# Allegro board 8880F5-0823_1_maisha.brd (continued)
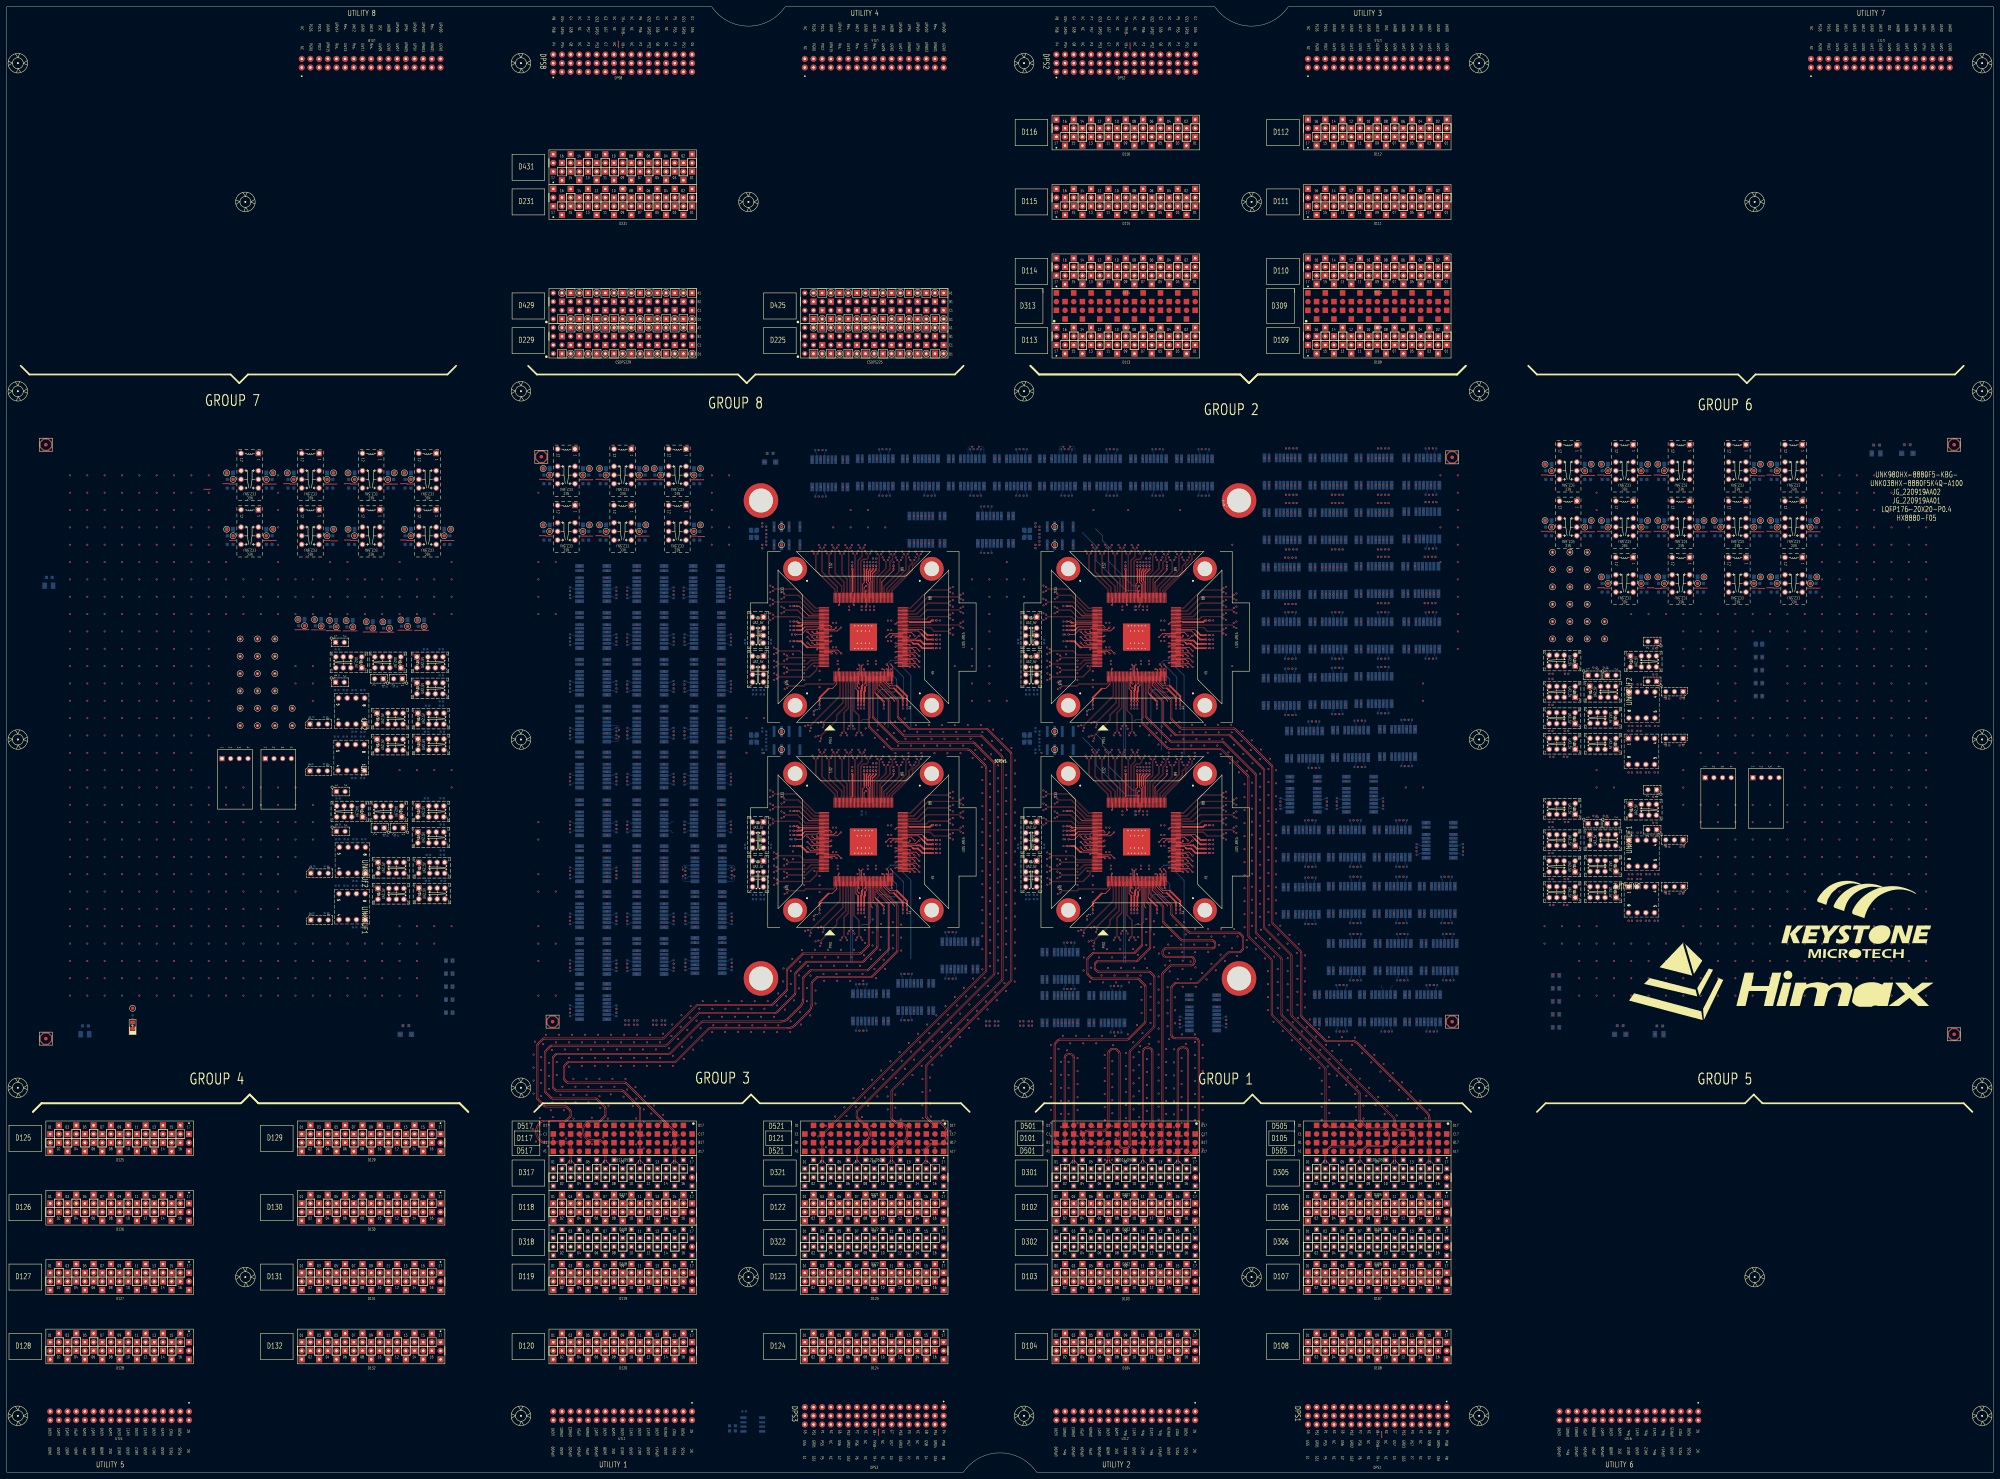
[diagram p0: board, top side]
## Placement (name value [footprint] x y rotation side) (continued)
NOREF#1339  -  []  35.83 128.17 90 top
NOREF#1340  -  []  282.9 147.38 0 top
NOREF#1341  -  []  124.35 195.15 0 top
NOREF#1342  -  []  184.47 176.66 90 top
NOREF#1343  -  []  352.25 184.86 90 top
NOREF#1344  -  []  263.95 224.74 90 top
NOREF#1345  -  []  449.99 174.46 0 top
NOREF#1346  -  []  301.56 239.06 0 top
NOREF#1347  -  []  463.61 171.53 0 top
NOREF#1348  -  []  298.24 288.86 0 top
NOREF#1349  -  []  200.98 256.5 90 top
NOREF#1350  -  []  184.47 219.75 90 top
NOREF#1351  -  []  371.73 297.12 0 top
NOREF#1352  -  []  310.41 248.88 90 top
NOREF#1353  -  []  201.66 186.02 90 top
NOREF#1354  -  []  272.24 244.86 90 top
NOREF#1355  -  []  385.36 194.18 90 top
NOREF#1356  -  []  199.08 254 0 top
NOREF#1357  -  []  167.7 136.27 90 top
NOREF#1358  -  []  165.8 254 0 top
NOREF#1359  -  []  259.65 264.65 90 top
NOREF#1360  -  []  249.85 224.74 0 top
NOREF#1361  -  []  184.47 247.18 90 top
NOREF#1362  -  []  379 272.56 90 top
NOREF#1363  -  []  184.47 173.11 0 top
NOREF#1364  -  []  118.96 174.04 90 top
NOREF#1365  -  []  399.07 208.91 90 top
NOREF#1366  -  []  413.1 144.98 0 top
NOREF#1367  -  []  369.38 241.11 0 top
NOREF#1368  -  []  342.68 163.52 90 top
NOREF#1369  -  []  404.15 241.11 0 top
NOREF#1370  -  []  411.26 209.66 90 top
NOREF#1371  -  []  175.7 257.6 90 top
NOREF#1372  -  []  327.57 204.65 90 top
NOREF#1373  -  []  339.89 288.41 90 top
NOREF#1374  -  []  301.56 190.49 0 top
NOREF#1375  -  []  175.7 141.67 90 top
NOREF#1376  -  []  394.46 129.99 90 top
NOREF#1377  -  []  201.23 214 0 top
NOREF#1378  -  []  423.61 184.62 90 top
NOREF#1379  -  []  375.22 163.39 0 top
NOREF#1380  -  []  251.05 265.86 90 top
NOREF#1381  -  []  230.43 248.88 90 top
NOREF#1382  -  []  110.47 178.64 0 top
NOREF#1383  -  []  405.51 217.61 0 top
NOREF#1384  -  []  381.2 258.38 90 top
NOREF#1385  -  []  295.96 188.49 0 top
NOREF#1386  -  []  261.42 135.74 90 top
NOREF#1387  -  []  253.53 140.14 0 top
NOREF#1388  -  []  404.4 289.17 90 top
NOREF#1389  -  []  106.29 174.19 90 top
NOREF#1390  -  []  337.9 246.99 0 top
NOREF#1391  -  []  238.45 197.01 0 top
NOREF#1392  -  []  112.67 178.64 0 top
NOREF#1393  -  []  230.43 253.37 0 top
NOREF#1394  -  []  234.33 228.13 90 top
NOREF#1395  -  []  473.6 162.62 90 top
NOREF#1396  -  []  327.25 205.55 0 top
NOREF#1397  -  []  273.5 148.65 90 top
NOREF#1398  -  []  250.18 182.88 0 top
NOREF#1399  -  []  352.93 288.86 90 top
NOREF#1400  -  []  451.68 171.53 0 top
NOREF#1401  -  []  475.36 127 90 top
NOREF#1402  -  []  219.81 213.69 90 top
NOREF#1403  -  []  220.36 177.06 0 top
NOREF#1404  -  []  478.57 257.36 90 top
NOREF#1405  -  []  237.66 164.72 0 top
NOREF#1406  -  []  201.23 247.18 90 top
NOREF#1407  -  []  412.88 139.89 0 top
NOREF#1408  -  []  254.61 204.65 90 top
NOREF#1409  -  []  419.9 272.82 90 top
NOREF#1410  -  []  124.35 222.33 0 top
NOREF#1411  -  []  230.43 254.01 0 top
NOREF#1412  -  []  408.02 239.21 0 top
NOREF#1413  -  []  284.36 272.1 90 top
NOREF#1414  -  []  337.9 186.35 90 top
NOREF#1415  -  []  263.31 224.72 0 top
NOREF#1416  -  []  225.83 204.31 0 top
NOREF#1417  -  []  378.33 241.11 90 top
NOREF#1418  -  []  275.28 290.13 90 top
NOREF#1419  -  []  412.62 249.11 0 top
NOREF#1420  -  []  377.32 163.39 0 top
NOREF#1421  -  []  415.6 146.88 0 top
NOREF#1422  -  []  259.65 204.65 90 top
NOREF#1423  -  []  352.25 182.32 90 top
NOREF#1424  -  []  379.48 222.7 90 top
NOREF#1425  -  []  277.17 288.86 0 top
NOREF#1426  -  []  330.73 205.55 0 top
NOREF#1427  -  []  259.88 288.31 90 top
NOREF#1428  -  []  258.1 288.86 0 top
NOREF#1429  -  []  367.73 290.39 90 top
NOREF#1430  -  []  120.21 178.64 0 top
NOREF#1431  -  []  211.11 160.4 90 top
NOREF#1432  -  []  320.83 194.63 0 top
NOREF#1433  -  []  287.91 280.1 0 top
NOREF#1434  -  []  460.93 182.17 90 top
NOREF#1435  -  []  175.7 222.95 90 top
NOREF#1436  -  []  327.25 265.55 0 top
NOREF#1437  -  []  327.27 131.64 90 top
NOREF#1438  -  []  201.23 200.54 0 top
NOREF#1439  -  []  420.15 131.34 90 top
NOREF#1440  -  []  232.25 211.67 90 top
NOREF#1441  -  []  167.7 132.72 0 top
NOREF#1442  -  []  339.33 265.55 0 top
NOREF#1443  -  []  184.47 159.65 0 top
NOREF#1444  -  []  327.57 205.86 90 top
NOREF#1445  -  []  248.33 187.93 0 top
NOREF#1446  -  []  118.74 210.19 90 top
NOREF#1447  -  []  165.8 131.57 90 top
NOREF#1448  -  []  383.73 202.38 90 top
NOREF#1449  -  []  302.49 296.86 0 top
NOREF#1450  -  []  279.7 155.38 0 top
NOREF#1451  -  []  391.8 209.36 0 top
NOREF#1452  -  []  313.56 131.64 90 top
NOREF#1453  -  []  343.63 225.04 90 top
NOREF#1454  -  []  383.09 289.12 0 top
NOREF#1455  -  []  405.5 289.12 90 top
NOREF#1456  -  []  257.9 246.99 0 top
NOREF#1457  -  []  222.11 240.71 0 top
NOREF#1458  -  []  192.57 256.4 90 top
NOREF#1459  -  []  405.5 273.11 90 top
NOREF#1460  -  []  263.31 164.74 0 top
NOREF#1461  -  []  165.8 171.96 90 top
NOREF#1462  -  []  333.4 265.55 0 top
NOREF#1463  -  []  254.8 296.86 0 top
NOREF#1464  -  []  310.43 248.88 0 top
NOREF#1465  -  []  184.47 200.54 90 top
NOREF#1466  -  []  351.34 185.18 0 top
NOREF#1467  -  []  184.47 186.57 90 top
NOREF#1468  -  []  237.98 223.82 90 top
NOREF#1469  -  []  320.83 254.63 0 top
NOREF#1470  -  []  275.3 155.38 0 top
NOREF#1471  -  []  194.09 214.75 90 top
NOREF#1472  -  []  333.72 204.65 90 top
NOREF#1473  -  []  209.23 246.08 90 top
NOREF#1474  -  []  312.21 131.64 0 top
NOREF#1475  -  []  182.57 185.42 90 top
NOREF#1476  -  []  410.52 289.12 0 top
NOREF#1477  -  []  165.8 226.57 0 top
NOREF#1478  -  []  305.83 264.31 0 top
NOREF#1479  -  []  177.33 133.47 90 top
NOREF#1480  -  []  328.33 247.93 0 top
NOREF#1481  -  []  392.73 171.64 0 top
NOREF#1482  -  []  290.64 288.86 0 top
NOREF#1483  -  []  405.51 209.61 0 top
NOREF#1484  -  []  229.21 188.88 0 top
NOREF#1485  -  []  115.36 235.64 0 top
NOREF#1486  -  []  399.67 131.89 0 top
NOREF#1487  -  []  108.27 171.02 0 top
NOREF#1488  -  []  263.95 223.52 90 top
NOREF#1489  -  []  75.98 287.84 90 top
NOREF#1490  -  []  290.64 288.86 0 top
NOREF#1491  -  []  300.36 177.06 0 top
NOREF#1492  -  []  339.33 205.56 90 top
NOREF#1493  -  []  471.11 186.77 0 top
NOREF#1494  -  []  201.23 242.78 90 top
NOREF#1495  -  []  518.38 290.38 90 top
NOREF#1496  -  []  272.25 242.96 0 top
NOREF#1497  -  []  340.83 234.63 90 top
NOREF#1498  -  []  271.34 183.91 0 top
NOREF#1499  -  []  388.43 146.88 0 top
NOREF#1500  -  []  217.41 213.24 90 top
NOREF#1501  -  []  201.23 229.07 90 top
NOREF#1502  -  []  209.49 177.76 90 top
NOREF#1503  -  []  295.96 177.06 0 top
NOREF#1504  -  []  167.7 174.46 90 top
NOREF#1505  -  []  251.86 192.43 90 top
NOREF#1506  -  []  301.56 231.46 0 top
NOREF#1507  -  []  175.7 259.8 90 top
NOREF#1508  -  []  377.48 273.16 90 top
NOREF#1509  -  []  262.04 164.72 0 top
NOREF#1510  -  []  118.45 231.77 0 top
NOREF#1511  -  []  184.89 145.38 90 top
NOREF#1512  -  []  330.49 224.74 90 top
NOREF#1513  -  []  218.16 188.49 0 top
NOREF#1514  -  []  396.03 180.15 0 top
NOREF#1515  -  []  460.89 217.9 90 top
NOREF#1516  -  []  184.47 147.28 90 top
NOREF#1517  -  []  473.79 191.06 90 top
NOREF#1518  -  []  418.37 273.42 90 top
NOREF#1519  -  []  271.56 288.91 90 top
NOREF#1520  -  []  192.47 232.37 90 top
NOREF#1521  -  []  401.89 180.15 0 top
NOREF#1522  -  []  253.4 264.35 90 top
NOREF#1523  -  []  412.37 257.37 0 top
NOREF#1524  -  []  175.7 182.06 90 top
NOREF#1525  -  []  222.11 180.71 0 top
NOREF#1526  -  []  518.38 259.9 90 top
NOREF#1527  -  []  385.61 208.66 90 top
NOREF#1528  -  []  404.4 257.42 90 top
NOREF#1529  -  []  336.45 224.74 0 top
NOREF#1530  -  []  253.4 265.56 0 top
NOREF#1531  -  []  217.41 273.24 90 top
NOREF#1532  -  []  230.83 164.63 0 top
NOREF#1533  -  []  461.96 174.55 0 top
NOREF#1534  -  []  301.56 250.49 0 top
NOREF#1535  -  []  201.23 186.57 90 top
NOREF#1536  -  []  396.28 146.93 90 top
NOREF#1537  -  []  248.61 290.13 90 top
NOREF#1538  -  []  409.49 180.15 0 top
NOREF#1539  -  []  414.82 249.11 0 top
NOREF#1540  -  []  461.96 217.98 0 top
NOREF#1541  -  []  405.93 256.92 90 top
NOREF#1542  -  []  182.57 226.57 0 top
NOREF#1543  -  []  396.55 225.11 0 top
NOREF#1544  -  []  223.15 271.32 90 top
NOREF#1545  -  []  83.77 247.51 90 top
NOREF#1546  -  []  182.57 254 0 top
NOREF#1547  -  []  168.13 132.17 90 top
NOREF#1548  -  []  167.7 200.54 0 top
NOREF#1549  -  []  263.71 288.86 0 top
NOREF#1550  -  []  377.23 241.16 90 top
NOREF#1551  -  []  468.01 214.96 0 top
NOREF#1552  -  []  122.19 247.3 90 top
NOREF#1553  -  []  554.86 298.45 0 top
NOREF#1554  -  []  199.84 148.65 90 top
NOREF#1555  -  []  330.17 225.04 90 top
NOREF#1556  -  []  423.2 146.88 0 top
NOREF#1557  -  []  192.47 264.1 90 top
NOREF#1558  -  []  381.74 232.85 0 top
NOREF#1559  -  []  302.71 145.61 90 top
NOREF#1560  -  []  310.83 164.63 0 top
NOREF#1561  -  []  310.43 186.34 90 top
NOREF#1562  -  []  273.59 272.15 90 top
NOREF#1563  -  []  249.13 140.14 0 top
NOREF#1564  -  []  402.14 146.88 0 top
NOREF#1565  -  []  410.52 241.11 0 top
NOREF#1566  -  []  383.09 273.11 0 top
NOREF#1567  -  []  310.43 243.09 90 top
NOREF#1568  -  []  301.56 242.89 0 top
NOREF#1569  -  []  456.08 214.96 0 top
NOREF#1570  -  []  351.04 184.23 0 top
NOREF#1571  -  []  366.88 222.7 0 top
NOREF#1572  -  []  395.2 281.11 0 top
NOREF#1573  -  []  313.98 131.19 90 top
NOREF#1574  -  []  495.08 259.9 90 top
NOREF#1575  -  []  210.6 255.9 90 top
NOREF#1576  -  []  309.21 247.61 0 top
NOREF#1577  -  []  272.55 185.18 0 top
NOREF#1578  -  []  331.05 205.86 90 top
NOREF#1579  -  []  184.47 204.09 90 top
NOREF#1580  -  []  226.85 271.67 0 top
NOREF#1581  -  []  346.27 135.17 90 top
NOREF#1582  -  []  272.24 184.86 90 top
NOREF#1583  -  []  239.33 243.63 90 top
NOREF#1584  -  []  175.8 160.9 90 top
NOREF#1585  -  []  396.55 273.11 0 top
NOREF#1586  -  []  172.08 275.14 90 top
NOREF#1587  -  []  377.32 180.15 0 top
NOREF#1588  -  []  398.65 257.37 0 top
NOREF#1589  -  []  330.51 288.86 0 top
NOREF#1590  -  []  450.03 166.93 0 top
NOREF#1591  -  []  310.83 224.63 0 top
NOREF#1592  -  []  328.96 224.74 0 top
NOREF#1593  -  []  375.73 199.18 90 top
NOREF#1594  -  []  209.33 242.68 90 top
NOREF#1595  -  []  109.96 238.84 0 top
NOREF#1596  -  []  310.43 246.34 90 top
NOREF#1597  -  []  230.43 248.88 0 top
NOREF#1598  -  []  272.25 241.05 90 top
NOREF#1599  -  []  250.49 163.52 90 top
NOREF#1600  -  []  299.59 288.86 90 top
NOREF#1601  -  []  402.06 217.61 0 top
NOREF#1602  -  []  119.99 214.79 0 top
NOREF#1603  -  []  209.23 232.37 90 top
NOREF#1604  -  []  459.28 168.33 0 top
NOREF#1605  -  []  127.59 211.59 90 top
NOREF#1606  -  []  167.7 149.48 90 top
NOREF#1607  -  []  386.53 164.91 90 top
NOREF#1608  -  []  315.82 129.74 0 top
NOREF#1609  -  []  511.59 291.28 90 top
NOREF#1610  -  []  259.33 205.56 0 top
NOREF#1611  -  []  424.47 163.09 90 top
NOREF#1612  -  []  329.6 224.74 90 top
NOREF#1613  -  []  409.49 163.64 0 top
NOREF#1614  -  []  250.74 224.74 0 top
NOREF#1615  -  []  229.21 246.34 0 top
NOREF#1616  -  []  199.59 230.19 90 top
NOREF#1617  -  []  201.66 227.17 90 top
NOREF#1618  -  []  368.03 232.6 0 top
NOREF#1619  -  []  385.61 208.56 90 top
NOREF#1620  -  []  272.66 288.86 90 top
NOREF#1621  -  []  400.24 198.08 90 top
NOREF#1622  -  []  310.43 248.88 90 top
NOREF#1623  -  []  406.65 287.22 90 top
NOREF#1624  -  []  380.59 255.21 0 top
NOREF#1625  -  []  201.23 241.43 0 top
NOREF#1626  -  []  184.47 201.89 90 top
NOREF#1627  -  []  261.63 195.43 90 top
NOREF#1628  -  []  375.22 163.39 0 top
NOREF#1629  -  []  371.48 232.6 0 top
NOREF#1630  -  []  331.38 224.74 90 top
NOREF#1631  -  []  240.83 254.63 0 top
NOREF#1632  -  []  331.05 204.65 90 top
NOREF#1633  -  []  177.33 228.47 90 top
NOREF#1634  -  []  192.47 154.88 90 top
NOREF#1635  -  []  404.15 273.11 0 top
NOREF#1636  -  []  384.59 162.84 90 top
NOREF#1637  -  []  409.74 163.69 90 top
NOREF#1638  -  []  259.65 205.86 90 top
NOREF#1639  -  []  313.56 144.34 90 top
NOREF#1640  -  []  413.2 164.91 90 top
NOREF#1641  -  []  377.23 224.65 90 top
NOREF#1642  -  []  409.17 249.11 0 top
NOREF#1643  -  []  304.61 144.34 0 top
NOREF#1644  -  []  199.59 203.01 90 top
NOREF#1645  -  []  250.73 205.56 0 top
NOREF#1646  -  []  403.99 171.64 0 top
NOREF#1647  -  []  352.25 182.96 0 top
NOREF#1648  -  []  165.8 212.85 90 top
NOREF#1649  -  []  467.51 230.2 0 top
NOREF#1650  -  []  334.29 264.35 90 top
NOREF#1651  -  []  330.49 223.52 90 top
NOREF#1652  -  []  460.93 166.93 90 top
NOREF#1653  -  []  337.09 163.52 90 top
NOREF#1654  -  []  115.19 128.27 0 top
NOREF#1655  -  []  463.11 230.2 0 top
NOREF#1656  -  []  184.47 178.86 90 top
NOREF#1657  -  []  338.2 246.67 0 top
NOREF#1658  -  []  450.03 225.6 0 top
NOREF#1659  -  []  414.25 154.88 0 top
NOREF#1660  -  []  331.05 264.65 90 top
NOREF#1661  -  []  331.06 225.04 90 top
NOREF#1662  -  []  528.1 259.9 90 top
NOREF#1663  -  []  192.47 209.49 90 top
NOREF#1664  -  []  251.62 204.35 90 top
NOREF#1665  -  []  295.96 248.49 0 top
NOREF#1666  -  []  175.8 147.18 90 top
NOREF#1667  -  []  418.12 241.11 0 top
NOREF#1668  -  []  209.08 256.4 90 top
NOREF#1669  -  []  192.57 174.36 90 top
NOREF#1670  -  []  236.27 289.16 90 top
NOREF#1671  -  []  404.15 225.11 0 top
NOREF#1672  -  []  250.49 164.74 90 top
NOREF#1673  -  []  216.96 240.71 0 top
NOREF#1674  -  []  412.62 241.11 0 top
NOREF#1675  -  []  250.74 164.74 0 top
NOREF#1676  -  []  293.66 272.15 90 top
NOREF#1677  -  []  396.55 273.11 0 top
NOREF#1678  -  []  403.99 188.15 0 top
NOREF#1679  -  []  303.84 288.86 0 top
NOREF#1680  -  []  251.62 265.55 0 top
NOREF#1681  -  []  333.33 181.33 90 top
NOREF#1682  -  []  410.52 289.12 0 top
NOREF#1683  -  []  257.09 164.74 90 top
NOREF#1684  -  []  408.92 265.37 0 top
NOREF#1685  -  []  346.27 130.77 90 top
NOREF#1686  -  []  230.43 188.88 0 top
NOREF#1687  -  []  247.25 205.55 0 top
NOREF#1688  -  []  167.7 204.09 90 top
NOREF#1689  -  []  369.38 257.11 0 top
NOREF#1690  -  []  339.65 264.65 90 top
NOREF#1691  -  []  229.21 247.61 0 top
NOREF#1692  -  []  118.74 215.34 0 top
NOREF#1693  -  []  107.02 174.04 90 top
NOREF#1694  -  []  378.33 224.6 90 top
NOREF#1695  -  []  277.17 288.86 0 top
NOREF#1696  -  []  371.48 265.11 0 top
NOREF#1697  -  []  393.74 131.34 90 top
NOREF#1698  -  []  112.05 246.78 90 top
NOREF#1699  -  []  306.27 156.63 90 top
NOREF#1700  -  []  377.23 289.12 0 top
NOREF#1701  -  []  401.89 163.64 0 top
NOREF#1702  -  []  230.43 253.37 90 top
NOREF#1703  -  []  168.13 240.88 90 top
NOREF#1704  -  []  230.43 193.37 90 top
NOREF#1705  -  []  381.74 297.12 0 top
NOREF#1706  -  []  406.52 131.89 90 top
NOREF#1707  -  []  396.55 225.11 0 top
NOREF#1708  -  []  182.57 185.42 0 top
NOREF#1709  -  []  316.43 132.91 90 top
NOREF#1710  -  []  230.43 183.09 0 top
NOREF#1711  -  []  271.04 181.69 0 top
NOREF#1712  -  []  167.7 233.47 90 top
NOREF#1713  -  []  259.65 264.65 90 top
NOREF#1714  -  []  465.81 171.53 0 top
NOREF#1715  -  []  259.45 288.86 90 top
NOREF#1716  -  []  352.55 245.18 0 top
NOREF#1717  -  []  398.53 161.74 90 top
NOREF#1718  -  []  199.33 185.42 0 top
NOREF#1719  -  []  254.29 205.56 90 top
NOREF#1720  -  []  262.04 224.72 0 top
NOREF#1721  -  []  327.89 264.35 90 top
NOREF#1722  -  []  450.03 182.17 0 top
NOREF#1723  -  []  398.65 225.11 0 top
NOREF#1724  -  []  413.96 182.44 90 top
NOREF#1725  -  []  250.74 164.72 0 top
NOREF#1726  -  []  251.06 165.04 90 top
NOREF#1727  -  []  461.86 225.6 90 top
NOREF#1728  -  []  420.37 255.47 90 top
NOREF#1729  -  []  127.55 191.95 90 top
NOREF#1730  -  []  310.43 183.09 90 top
NOREF#1731  -  []  383.09 257.11 0 top
NOREF#1732  -  []  404.15 257.37 0 top
NOREF#1733  -  []  250.73 264.35 90 top
NOREF#1734  -  []  165.8 254 90 top
NOREF#1735  -  []  528.1 273.87 90 top
NOREF#1736  -  []  398.65 233.11 0 top
NOREF#1737  -  []  418.38 131.89 0 top
NOREF#1738  -  []  237.98 165.04 90 top
NOREF#1739  -  []  450.03 166.93 0 top
NOREF#1740  -  []  401.89 180.15 0 top
NOREF#1741  -  []  406.44 154.88 0 top
NOREF#1742  -  []  192.47 246.08 90 top
NOREF#1743  -  []  308.36 262.16 45 top
NOREF#1744  -  []  460.93 191.31 90 top
NOREF#1745  -  []  461.96 166.93 0 top
NOREF#1746  -  []  397.8 146.33 90 top
NOREF#1747  -  []  397.8 179.6 90 top
NOREF#1748  -  []  226.27 156.63 90 top
NOREF#1749  -  []  326.43 288.41 90 top
NOREF#1750  -  []  384.36 131.89 0 top
NOREF#1751  -  []  392.04 241.11 90 top
NOREF#1752  -  []  385.93 161.74 0 top
NOREF#1753  -  []  115.61 191.95 0 top
NOREF#1754  -  []  310.43 193.37 0 top
NOREF#1755  -  []  327.25 204.35 90 top
NOREF#1756  -  []  390.53 188.15 0 top
NOREF#1757  -  []  448.94 290.38 90 top
NOREF#1758  -  []  215.96 237.06 0 top
NOREF#1759  -  []  330.73 205.56 0 top
NOREF#1760  -  []  411.99 178.25 90 top
NOREF#1761  -  []  385.18 209.11 90 top
NOREF#1762  -  []  334.29 265.56 90 top
NOREF#1763  -  []  373.73 207.21 0 top
NOREF#1764  -  []  302.11 142.44 0 top
NOREF#1765  -  []  331.62 204.35 90 top
NOREF#1766  -  []  108.27 171.02 0 top
NOREF#1767  -  []  192.47 230.17 90 top
NOREF#1768  -  []  184.47 145.93 90 top
NOREF#1769  -  []  409.74 180.2 90 top
NOREF#1770  -  []  383.09 224.85 0 top
NOREF#1771  -  []  352.24 244.86 90 top
NOREF#1772  -  []  419.9 288.57 90 top
NOREF#1773  -  []  253.72 205.86 90 top
NOREF#1774  -  []  383.07 180.2 90 top
NOREF#1775  -  []  167.7 227.72 0 top
NOREF#1776  -  []  263.71 288.86 0 top
NOREF#1777  -  []  327.7 131.09 90 top
NOREF#1778  -  []  271.34 189.5 0 top
NOREF#1779  -  []  221.56 231.46 0 top
NOREF#1780  -  []  459.28 227 90 top
NOREF#1781  -  []  118.99 166.5 90 top
NOREF#1782  -  []  379 288.57 90 top
NOREF#1783  -  []  209.49 162.1 90 top
NOREF#1784  -  []  478.57 293.82 90 top
NOREF#1785  -  []  167.7 247.18 90 top
NOREF#1786  -  []  253.4 205.55 0 top
NOREF#1787  -  []  332.51 264.35 90 top
NOREF#1788  -  []  390.34 192.28 90 top
NOREF#1789  -  []  177.33 187.32 90 top
NOREF#1790  -  []  309.51 246.66 0 top
NOREF#1791  -  []  184.47 219.75 90 top
NOREF#1792  -  []  229.21 187.61 0 top
NOREF#1793  -  []  175.7 175.56 90 top
NOREF#1794  -  []  192.47 148.38 90 top
NOREF#1795  -  []  333.4 205.56 0 top
NOREF#1796  -  []  485.36 257.36 90 top
NOREF#1797  -  []  108.27 178.64 0 top
NOREF#1798  -  []  194.09 201.29 90 top
NOREF#1799  -  []  310.41 187.61 90 top
NOREF#1800  -  []  332.83 265.86 90 top
NOREF#1801  -  []  392.04 289.12 90 top
NOREF#1802  -  []  118.74 215.34 0 top
NOREF#1803  -  []  485.36 289.48 90 top
NOREF#1804  -  []  217.41 213.24 0 top
NOREF#1805  -  []  239.33 183.63 90 top
NOREF#1806  -  []  263.31 164.72 0 top
NOREF#1807  -  []  184.47 233.47 90 top
NOREF#1808  -  []  390.34 192.28 0 top
NOREF#1809  -  []  425.23 180.72 90 top
NOREF#1810  -  []  218.16 237.06 0 top
NOREF#1811  -  []  367.73 274.38 90 top
NOREF#1812  -  []  111.54 287.84 90 top
NOREF#1813  -  []  252.43 132.14 0 top
NOREF#1814  -  []  331.38 164.74 90 top
NOREF#1815  -  []  166.06 162.12 90 top
NOREF#1816  -  []  248 286.96 0 top
NOREF#1817  -  []  115.87 167.82 90 top
NOREF#1818  -  []  409.74 146.88 0 top
NOREF#1819  -  []  253.4 205.56 90 top
NOREF#1820  -  []  319.33 183.63 90 top
NOREF#1821  -  []  471.21 219.38 0 top
NOREF#1822  -  []  381.86 129.99 0 top
NOREF#1823  -  []  396.55 289.12 0 top
NOREF#1824  -  []  410.78 131.89 0 top
NOREF#1825  -  []  253.4 265.56 90 top
NOREF#1826  -  []  352.25 181.05 90 top
NOREF#1827  -  []  251.86 252.43 90 top
NOREF#1828  -  []  155.57 272.6 90 top
NOREF#1829  -  []  298.16 237.06 0 top
NOREF#1830  -  []  374.88 217.11 0 top
NOREF#1831  -  []  199.33 257.62 90 top
NOREF#1832  -  []  313.98 131.09 90 top
NOREF#1833  -  []  461.96 174.55 0 top
NOREF#1834  -  []  175.7 135.17 90 top
NOREF#1835  -  []  456.08 171.53 0 top
NOREF#1836  -  []  215.96 177.06 0 top
NOREF#1837  -  []  451.64 179.06 0 top
NOREF#1838  -  []  200.98 260.9 90 top
NOREF#1839  -  []  330.18 242.88 0 top
NOREF#1840  -  []  254.61 205.86 90 top
NOREF#1841  -  []  230.43 188.88 90 top
NOREF#1842  -  []  387.08 188.15 0 top
NOREF#1843  -  []  247.78 132.14 90 top
NOREF#1844  -  []  249.28 225.04 90 top
NOREF#1845  -  []  387.39 232.85 0 top
NOREF#1846  -  []  75.98 271.33 90 top
NOREF#1847  -  []  249.6 224.74 90 top
NOREF#1848  -  []  374.08 195.9 90 top
NOREF#1849  -  []  175.7 154.88 90 top
NOREF#1850  -  []  167.7 138.47 90 top
NOREF#1851  -  []  366.88 239.21 0 top
NOREF#1852  -  []  383.09 241.11 0 top
NOREF#1853  -  []  122.15 187.53 0 top
NOREF#1854  -  []  336.45 164.74 0 top
NOREF#1855  -  []  200.98 258.7 90 top
NOREF#1856  -  []  75.98 290.38 90 top
NOREF#1857  -  []  103.93 235.64 0 top
NOREF#1858  -  []  264.29 280.1 0 top
NOREF#1859  -  []  331.06 165.04 90 top
NOREF#1860  -  []  166.06 135.19 90 top
NOREF#1861  -  []  106.76 222.88 0 top
NOREF#1862  -  []  311.15 219.63 90 top
NOREF#1863  -  []  398.65 249.11 0 top
NOREF#1864  -  []  398.65 289.12 0 top
NOREF#1865  -  []  251.54 192.73 90 top
NOREF#1866  -  []  266.74 143.19 0 top
NOREF#1867  -  []  552.76 299.72 0 top
NOREF#1868  -  []  155.57 289.11 90 top
NOREF#1869  -  []  332.51 265.56 0 top
NOREF#1870  -  []  317.05 288.86 0 top
NOREF#1871  -  []  298.16 177.06 0 top
NOREF#1872  -  []  320.42 139.64 0 top
NOREF#1873  -  []  346.27 135.17 90 top
NOREF#1874  -  []  272.55 182.64 0 top
NOREF#1875  -  []  419.9 240.56 90 top
NOREF#1876  -  []  104.18 191.95 0 top
NOREF#1877  -  []  420.62 271.47 90 top
NOREF#1878  -  []  473.79 234.49 90 top
NOREF#1879  -  []  298.49 288.91 90 top
NOREF#1880  -  []  192.47 175.56 90 top
NOREF#1881  -  []  165.8 185.42 0 top
NOREF#1882  -  []  398.65 273.11 0 top
NOREF#1883  -  []  400.54 188.15 0 top
NOREF#1884  -  []  392.47 240.56 90 top
NOREF#1885  -  []  327.25 265.55 0 top
NOREF#1886  -  []  317.66 164.74 0 top
NOREF#1887  -  []  473.79 196.21 0 top
NOREF#1888  -  []  259.97 264.35 90 top
NOREF#1889  -  []  380.53 217.11 0 top
NOREF#1890  -  []  352.24 243.59 90 top
NOREF#1891  -  []  403.99 163.64 0 top
NOREF#1892  -  []  320.94 211.63 90 top
NOREF#1893  -  []  247.34 133.41 90 top
NOREF#1894  -  []  313.98 143.89 90 top
NOREF#1895  -  []  192.47 191.22 90 top
NOREF#1896  -  []  387.39 265.11 0 top
NOREF#1897  -  []  412.88 131.89 0 top
NOREF#1898  -  []  462.06 274.77 90 top
NOREF#1899  -  []  453.88 214.96 0 top
NOREF#1900  -  []  223.56 173.86 90 top
NOREF#1901  -  []  272.55 243.91 0 top
NOREF#1902  -  []  352.55 189.5 0 top
NOREF#1903  -  []  310.41 243.09 90 top
NOREF#1904  -  []  286.12 288.86 90 top
NOREF#1905  -  []  122.19 214.79 0 top
NOREF#1906  -  []  386.53 181.42 90 top
NOREF#1907  -  []  339.65 264.65 90 top
NOREF#1908  -  []  260.83 174.63 90 top
NOREF#1909  -  []  175.7 164.3 90 top
NOREF#1910  -  []  405.93 240.56 90 top
NOREF#1911  -  []  351.34 249.5 0 top
NOREF#1912  -  []  412.79 209.16 90 top
NOREF#1913  -  []  407.77 255.47 0 top
NOREF#1914  -  []  232.25 271.67 90 top
NOREF#1915  -  []  331.62 265.56 0 top
NOREF#1916  -  []  263.63 165.04 90 top
NOREF#1917  -  []  128.24 171.1 0 top
NOREF#1918  -  []  175.7 264.1 90 top
NOREF#1919  -  []  272.24 249.18 90 top
NOREF#1920  -  []  303.15 271.32 90 top
NOREF#1921  -  []  394.66 258.64 90 top
NOREF#1922  -  []  208.98 257.6 90 top
NOREF#1923  -  []  331.94 205.86 90 top
NOREF#1924  -  []  332.83 205.86 90 top
NOREF#1925  -  []  329.85 224.72 0 top
NOREF#1926  -  []  249.28 223.82 90 top
NOREF#1927  -  []  319.33 236.03 90 top
NOREF#1928  -  []  263.2 172.26 90 top
NOREF#1929  -  []  327.25 205.56 0 top
NOREF#1930  -  []  302.11 240.71 0 top
NOREF#1931  -  []  501.87 276.41 90 top
NOREF#1932  -  []  392.47 272.66 90 top
NOREF#1933  -  []  456.08 230.2 0 top
NOREF#1934  -  []  415.08 139.89 0 top
NOREF#1935  -  []  167.7 200.54 90 top
NOREF#1936  -  []  251.38 223.52 90 top
NOREF#1937  -  []  253.72 264.65 90 top
NOREF#1938  -  []  209.59 160.9 90 top
NOREF#1939  -  []  351.34 181.37 0 top
NOREF#1940  -  []  373.93 297.12 0 top
NOREF#1941  -  []  229.51 193.69 0 top
NOREF#1942  -  []  230.43 246.34 90 top
NOREF#1943  -  []  310.73 253.69 0 top
NOREF#1944  -  []  185.2 292.55 90 top
NOREF#1945  -  []  388.43 146.88 0 top
NOREF#1946  -  []  304.61 144.34 0 top
NOREF#1947  -  []  229.51 243.41 0 top
NOREF#1948  -  []  167.7 206.29 90 top
NOREF#1949  -  []  247.25 265.56 90 top
NOREF#1950  -  []  410.78 131.89 0 top
NOREF#1951  -  []  417.2 171.64 0 top
NOREF#1952  -  []  199.59 171.96 90 top
NOREF#1953  -  []  263.2 232.26 90 top
NOREF#1954  -  []  285.02 288.91 90 top
NOREF#1955  -  []  340.83 174.63 90 top
NOREF#1956  -  []  230.41 193.37 90 top
NOREF#1957  -  []  259.33 265.55 0 top
NOREF#1958  -  []  111.54 290.38 90 top
NOREF#1959  -  []  108.01 222.33 0 top
NOREF#1960  -  []  409.99 146.93 90 top
NOREF#1961  -  []  450.03 210.36 0 top
NOREF#1962  -  []  221.56 179.06 0 top
NOREF#1963  -  []  167.7 247.18 90 top
NOREF#1964  -  []  381.2 242.38 90 top
NOREF#1965  -  []  352.24 189.18 90 top
NOREF#1966  -  []  309.51 249.2 0 top
NOREF#1967  -  []  329.85 164.72 0 top
NOREF#1968  -  []  369.63 273.11 0 top
NOREF#1969  -  []  385.19 289.12 0 top
NOREF#1970  -  []  310.43 247.61 0 top
NOREF#1971  -  []  309.21 248.88 0 top
NOREF#1972  -  []  118.99 171.65 0 top
NOREF#1973  -  []  460.93 234.74 90 top
